# Altium PCB ControllerV3.0.PcbDoc (part 2 of 2)
Units mil, origin at the board's own origin, x right, y up, seen from the top; angles counter-clockwise.
Board outline 2047.87 x 1968.5 mil, 4 copper layers (Top, Gnd, Signal, Bottom), stack 64 mil thick; 96 components, 90 nets, 382 pads, 224 vias.
Unrouted connection lines stored in the file: 72.
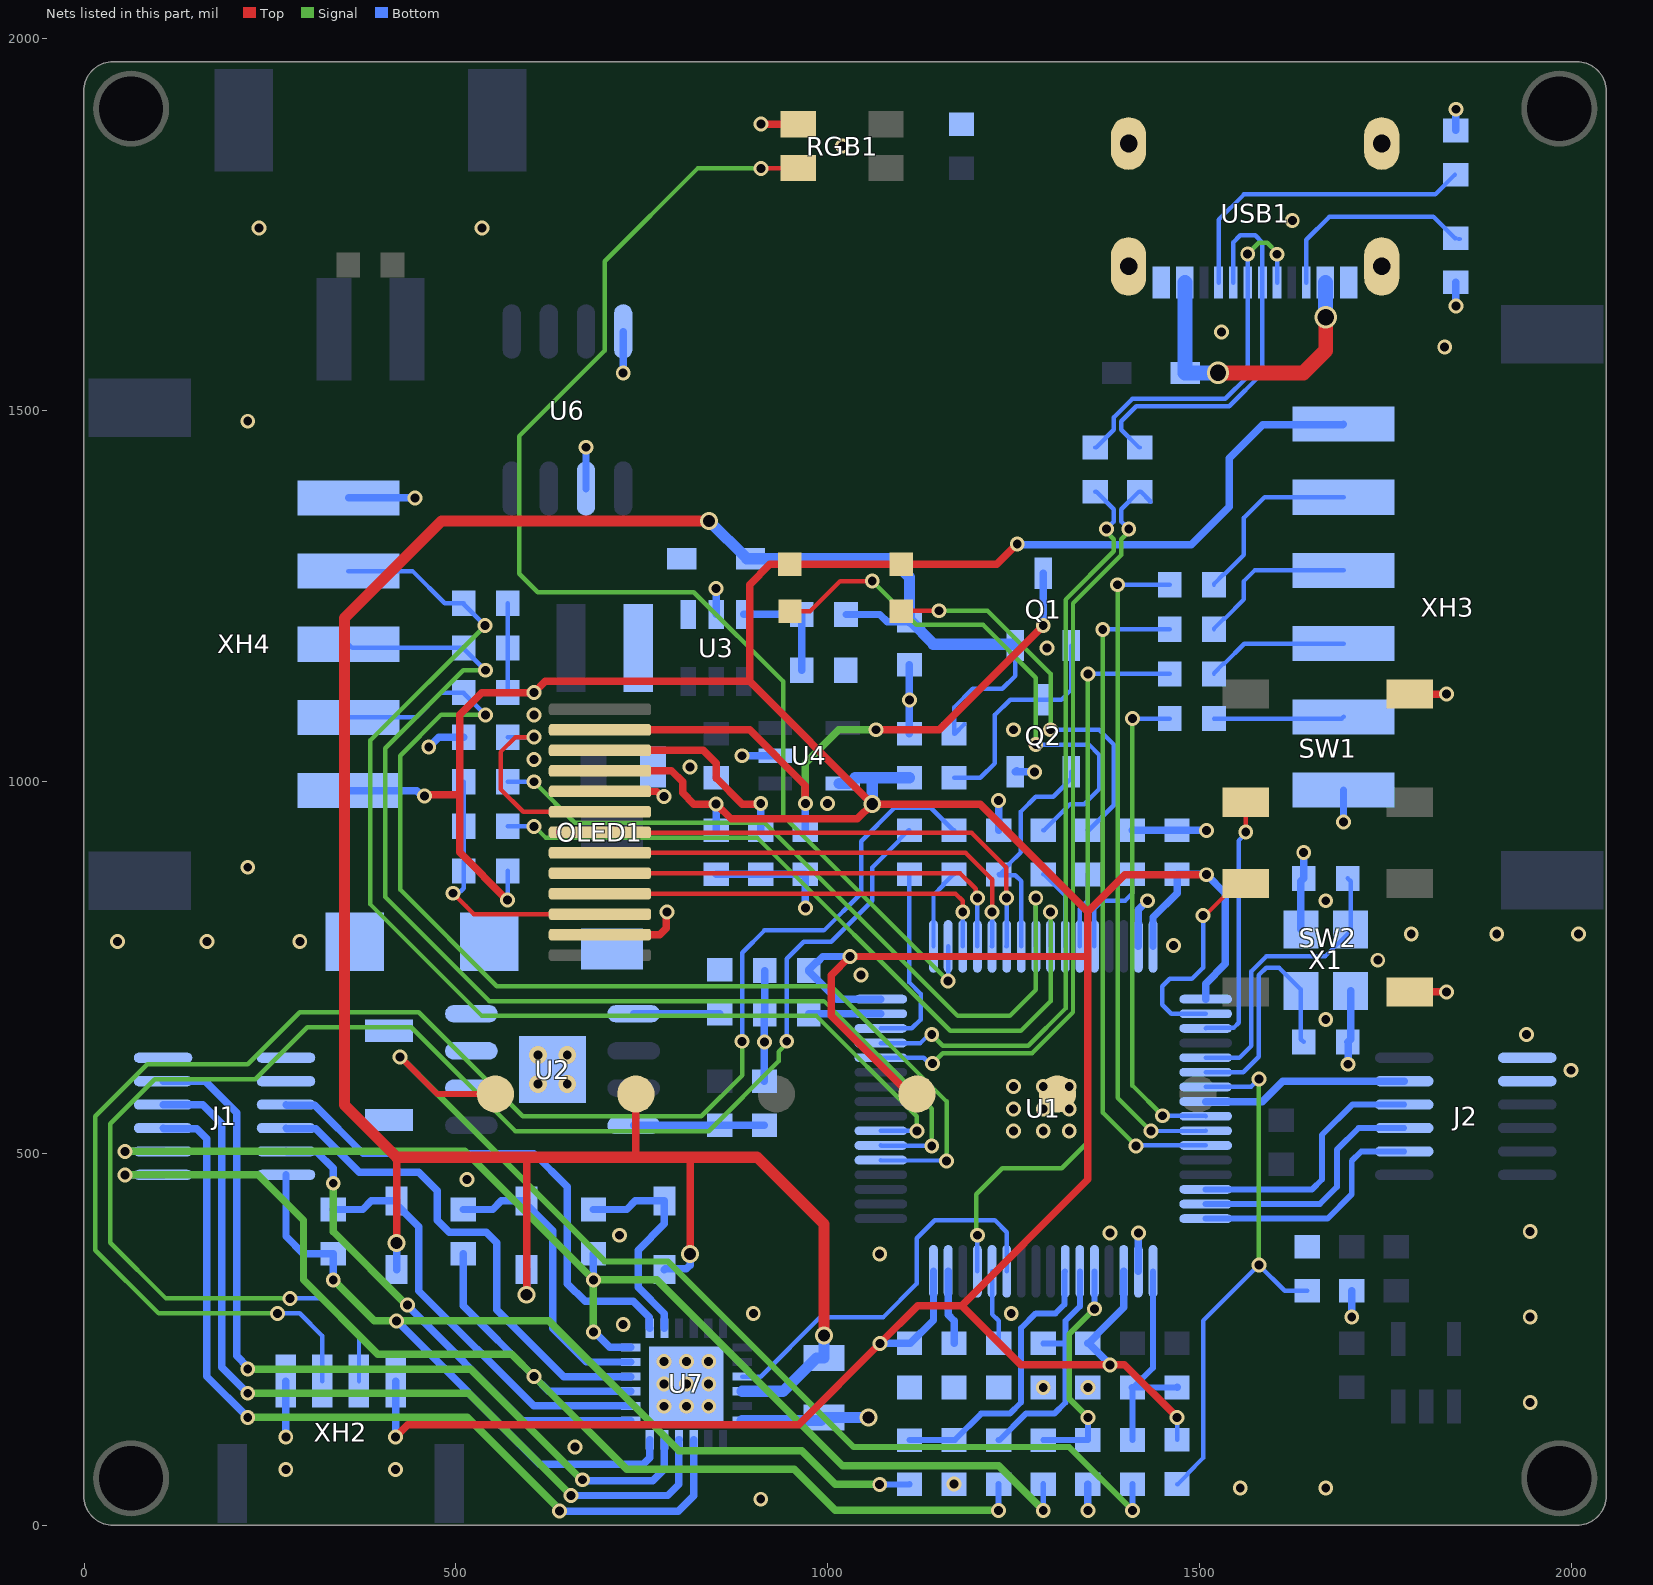
[diagram p4: the nets of this part, all layers, seen from the top]

## Via types
v1: diameter 20, hole 12, Top to Bottom, tented both sides, 201 vias
v2: diameter 24, hole 16, Top to Bottom, tented both sides, 10 vias
v3: diameter 30, hole 22, Top to Bottom, tented both sides, 5 vias
v4: diameter 27.56, hole 27.56, Top to Bottom, tented both sides, 4 vias
v5: diameter 24, hole 12, Top to Bottom, tented both sides, 4 vias

## Nets (pads, with @x,y where several pads share a name; then routed paths per layer and width w, separated by ;. In a path a pad name is that pad's centre, name@x,y a point inside that pad or via, vN(x,y) a via of type N, cw(c..) or ccw(c..) an arc to the next point about the centre after c; other vN are vias at no path point) (continued)
CL: U1.27 U7.3 | length 537.6
  Bottom w6: U7.3@885.1,199.84 909.84,199.84 990,280 1075,280 1120,325 1120,385.86 1144.14,410 1225,410 1240.79,394.21 U1.27@1240.79,341.5
DCBUS: C2.1 J1.6 J1.7 J1.8 pad.11@553,580 R19.2 U2.7 | length 1434
  Top w8: v1(425,630) 475,580 pad.11@561.51,580
  Signal w8: v1@422.3,632.7 v1(425,630) 700,355 785,355 1035,105 1325,105 v1(1410,20)
  Bottom w8: v1(1410,20) R19.2@1410,55.3
DN: R14.1 USB1.5 USB1.7 | length 539.8
  Bottom w6: R14.1@1420,1449.61 1418.87,1449.61 1395,1473.48 1395,1485 1415,1505 1540,1505 1584.85,1549.85 USB1.7@1584.85,1671.49 1584.85,1725.15 1575,1735 1555,1735 1545.48,1725.48 USB1.5@1545.48,1671.49
DP: R13.1 USB1.6 USB1.8 | length 511.6
  Signal w6: v1(1565,1710) 1580,1725 1591.49,1725 1604.53,1711.96 v1(1604.53,1709.52)
  Bottom w6: R13.1@1360,1449.61 1361.13,1449.61 1385,1473.48 1385,1490 1410,1515 1535,1515 1565,1545 1565,1671.34 USB1.6@1565.16,1671.49 1565.16,1709.85 v1(1565,1710) ; USB1.8@1604.53,1671.49 v1(1604.53,1709.52) v1@1605,1710
ENC_A: R32.1 U1.37 XH4.2 | length 1551.3
  Signal w6: v1(540,1090) 480,1090 425,1035 425,855 555,725 1005,725 1160,570 v1(1160,490)
  Bottom w6: XH4.2@355.47,1086.57 446.57,1086.57 480,1120 R32.1@510.39,1120 510.39,1118.87 539.26,1090 v1(540,1090) ; U1.37@1071.5,491.1 1072.05,490.55 1159.45,490.55 v1(1160,490)
ENC_B: R33.1 U1.38 XH4.3 | length 1549.9
  Signal w6: v1(540,1150) 510,1150 405,1045 405,845 545,705 995,705 1140,560 v1(1140,510.1)
  Bottom w6: XH4.3@355.47,1185 360.47,1180 R33.1@510.39,1180 510.39,1178.87 539.26,1150 v1(540,1150) ; U1.38@1071.5,510.79 1071.89,510.39 1139.71,510.39 v1(1140,510.1)
ENC_CS: R38.1 U1.9 | length 659.6
  Signal w6: v1(1410,1085) 1410,591.4 v1(1450.6,550.8)
  Bottom w6: v1(1410,1085) R38.1@1460.39,1085 ; v1(1450.6,550.8) 1450.92,550.48 1508.18,550.48 U1.9@1508.5,550.16
ENC_Z: R34.1 U1.39 XH4.4 | length 1574.8
  Signal w6: v1(539.26,1210) 385,1055.74 385,835 535,685 985,685 1120,550 v1(1120,530.47)
  Bottom w6: XH4.4@355.47,1283.43 441.57,1283.43 485,1240 R34.1@510.39,1240 510.39,1238.87 v1(539.26,1210) ; U1.39@1071.5,530.47 v1(1120,530.47)
GH_A: J1.9 U7.19 | length 698.3
  Bottom w10: J1.9@271.42,565.75 272.14,565.02 309.98,565.02 375,500 605,500 650,455 650,325 673.78,301.22 738.78,301.22 760.28,279.72 760.28,265.61 U7.19@760.79,265.1
GH_B: J1.10 U7.16 | length 678.2
  Bottom w10: J1.10@271.42,534.25 272.14,533.53 311.47,533.53 370,475 450,475 475,450 475,410 490.95,394.05 540.95,394.05 555,380 555,290 645.16,199.84 U7.16@734.9,199.84
GH_C: J1.11 U7.13 | length 663.8
  Signal w10: v1(335,460) 335,395 434,296 v1(435,296)
  Bottom w10: J1.11@271.42,502.76 272.14,502.03 312.97,502.03 335,480 v1(335,460) ; v1(435,296) 435,295 589.21,140.79 U7.13@734.9,140.79
GL_A: J1.5 U7.11 | length 1136.1
  Signal w10: v1(220,210) 520,210 668.84,61.16 v1(670.11,61.16)
  Bottom w10: J1.5@106.06,597.24 162.76,597.24 205,555 205,227.71 220,212.71 v1(220,210) ; v1(670.11,61.16) 671.27,60 765,60 780.47,75.47 U7.11@780.47,114.9
GL_B: J1.4 U7.10 | length 1169.7
  Signal w10: v1(220,177.5) 517.5,177.5 v1(655,40)
  Bottom w10: J1.4@106.06,565.75 159.25,565.75 185,540 185,212.5 v1(220,177.5) ; v1(655,40) 785,40 800,55 800,114.74 U7.10@800.16,114.9
GL_C: J1.3 U7.9 | length 1199.2
  Signal w10: v1(220,145) 515,145 639.4,20.6 v1(639.4,19.2)
  Bottom w10: J1.3@106.06,534.25 106.79,533.53 151.47,533.53 165,520 165,200 v1(220,145) ; v1(639.4,19.2) 639.6,19 799,19 819.84,39.84 U7.9@819.84,114.9
GND: C2.2 C3.1 C4.2 C5.2 C6.2 C7.2 C8.2 C11.2 C12.2 C13.2 C14.2 C16.1 C17.2 C18.2 C21.2 C23.1 C24.1 C25.1 C27.2 D1.2 J2.7 J2.8 OLED1.5 OLED1.12 pad.11@1309,580 Q2.2 R1.2 R4.1 R5.1 R7.2 R9.1 R16.1 R17.2 R20.1 R21.1 R29.1 R30.1 R31.1 RGB1.1 SW1.4 SW2.3 U1.18 U1.63 U2.6 U2.9 U3.2 U4.2 U6.2 U6.8 U7.6 U7.25 USB1.1 USB1.12 USB1.13 USB1.14 X1.2 X1.4 XH2.4 XH3.6 XH4.5 | length 2005.5
  Top w10: OLED1.12@693.74,794.25 774.25,794.25 783.09,803.09 783.09,824.09 v1(784,825) ; OLED1.5@693.74,987.17 694.02,986.89 770.41,986.89 777.29,980 v1(780,980) ; v1(910.47,1884.53) RGB1.1@960.41,1884.53 ; SW2.3@1782.89,717.36 v1(1832.36,717.36) ; SW1.4@1782.89,1117.99 v1(1832.36,1117.99)
  Bottom w10: v1(271.18,118.82) XH2.4@271.18,193.9 ; XH4.5@355.47,1381.85 v1(445,1381.85) ; v1(463.44,1046.57) 476.87,1060 R21.1@510.39,1060 ; U6.2@675,1394.39 v1(675,1450) ; v1(725,1550) U6.8@725,1605.61 ; C25.1@850,875.35 C23.1@910,875.35 C24.1@970,875.35 v1(970,830) ; C5.2@850,1005.34 C5.2@850.34,1005 ; U3.2@850,1225.08 v1(850,1260) ; v1(885,1035) U4.2@929.58,1035 ; R5.1@915,597.26 915,687.61 C7.2@915.34,687.95 C13.2@915.34,746.13 ; C21.2@990.79,140.79 C21.2@995,145 ; C6.2@1110,1064.66 v1(1110,1110) C3.1@1110,1157.35 ; R20.1@1230,934.61 v1(1230,975) ; Q2.2@1254.34,1015 Q2.2@1252.6,1013.26 v1(1278.26,1013.26) ; v1(1350,20) R29.1@1350,55.27 ; R7.2@1410,934.7 1469.96,934.7 C12.2@1470,934.66 v1(1509.66,934.66) ; U1.18@1417.95,341.5 v1(1417.95,392.95) ; U1.63@1417.95,778.5 1417.95,827.95 v1(1430,840) ; X1.4@1636.54,801.34 1636.54,866.2 C18.2@1640.34,870 v1(1640.34,904.66) ; v1(1693.9,946.1) XH3.6@1693.9,988.94 ; v1(1700,620) 1700,649.66 C17.2@1699.66,650 1703.46,653.8 X1.2@1703.46,718.66 ; v1(1705,280) R17.2@1705,315.3 ; v1(1845,1640) R9.1@1845,1671.68 ; R16.1@1845,1876.03 v1(1845,1904.61)
  Bottom w15: U7.6@885.1,140.79 C21.2@990.79,140.79 ; C21.2@995,145 v2(1055,145)
  other v1: 910,35 1555,50 1670,50 1170,55.27 271.18,75 418.82,75 660,105 780,160 810,160 840,160 1945,165 1290,185.27 1350,185.22 780,190 810,190 840,190 780,220 810,220 840,220 725,270 1945,280 900,285 1247,285 1070,365 720,390 1380,392.95 1945,395 515,465 1250,530 1290,530 1325,530 1250,560 1290,560 1325,560 1250,590 1290,590 1325,590 2000,612 915,650 1940,660 1670,680 1045,740 1740,760 1465,780 45,785 165,785 290,785 1785,795 1900,795 2010,795 1670,840 220,885 1000,971 815,1020 605,1030 1250,1070 605,1090 1295,1180 220,1485 1830,1585 1530,1605 235,1745 535,1745 1625,1755 1020,1855
  other v5: 610.32,593.26 649.69,593.26 610.32,632.63 649.69,632.63
IA: J2.2 U1.16 | length 330.8
  Bottom w8: U1.16@1508.5,412.36 1672.36,412.36 1705,445 1705,490 1717.76,502.76 J2.2@1775.55,502.76
IB: J2.3 U1.15 | length 338.7
  Bottom w8: U1.15@1508.5,432.05 1662.05,432.05 1685,455 1685,505 1714.25,534.25 J2.3@1775.55,534.25
IC: J2.4 U1.14 | length 349.4
  Bottom w8: U1.14@1508.5,451.73 1651.73,451.73 1665,465 1665,525 1705.75,565.75 J2.4@1775.55,565.75
KEY1: SW1.2 U1.3 | length 348
  Top w6: v1(1562.42,932.42) SW1.2@1562.42,972.33
  Bottom w6: U1.3@1508.5,668.27 1509.62,669.38 1546.49,669.38 1552.94,675.83 1552.94,920.91 1562.42,930.4 v1(1562.42,932.42)
KEY2: SW2.1 U1.2 | length 299.1
  Top w6: v1(1505,820) 1507.58,820 1550.61,863.03 SW2.1@1562.42,863.03
  Bottom w6: v1(1505,820) 1505,750 1490,735 1460,735 1450,725 1450,700 1462.05,687.95 U1.2@1508.5,687.95
LED_G: R6.2 U1.58 | length 109.7
  Bottom w6: R6.2@1290,875.3 1291.13,875.3 1319.53,846.9 U1.58@1319.53,778.5
LED_R: R8.2 U1.59 | length 101.3
  Bottom w6: U1.59@1339.21,778.5 1339.21,829.21 1350,840 R8.2@1350,875.3
NetC1_1: C1.1 U2.1 | length 115.9
  Bottom w10: U2.1@739.15,687.95 C1.1@855,687.95
NetC1_2: C1.2 D1.1 L1.1 U2.8
NetC7_1: C7.1 U1.47 | length 96.8
  Bottom w10: C7.1@974.65,687.95 U1.47@1071.5,687.95
NetC8_1: C8.1 U1.31 | length 100.3
  Bottom w10: U1.31@1162.05,341.5 1162.05,282.95 1170,275 C8.1@1170,244.53
NetD2_2: D2.2 L2.2 U3.1
NetLED1_1: LED1.1 R6.1 | length 726.3
  Top w6: LED1.1@949.39,1229.37 976.24,1229.37 1016.87,1270 v1(1060,1270)
  Signal w6: v1(1060,1270) 1119,1211 1209,1211 1280,1140 v1(1280,1050)
  Bottom w6: v1(1280,1050) 1351.49,1050 1365,1036.49 1365,990 1345,970 1326.52,970 1291.13,934.61 R6.1@1290,934.61
NetLED2_1: LED2.1 R8.1 | length 535.4
  Top w6: LED2.1@1098.93,1229.37 1099.55,1230 v1(1150,1230)
  Signal w6: v1(1150,1230) 1215,1230 1300,1145 v1(1300,1070)
  Bottom w6: v1(1300,1070) 1365,1070 1385,1050 1385,968.48 1351.13,934.61 R8.1@1350,934.61
NetOLED1_6: OLED1.6 R21.2 | length 284.9
  Top w6: v1(605,1060) 580,1060 560,1040 560,990 590.39,959.61 OLED1.6@693.74,959.61
  Bottom w6: R21.2@569.7,1060 v1(605,1060)
NetQ1_1: Q1.1 Q2.3 R18.1 | length 304.2
  Bottom w6: R18.1@1170,1005.39 1205.39,1005.39 1225,1025 1225,1090 1245.51,1110.51 Q2.3@1290,1110.51 1314.49,1110.51 1327.4,1123.41 Q1.1@1327.4,1183.26
NetR1_1: R1.1 U1.28 | length 100.7
  Bottom w6: U1.28@1221.1,341.5 1221.1,283.9 1230,275 R1.1@1230,244.49
NetR2_1: R2.1 R4.2 U3.3 | length 153.1
  Bottom w10: U3.3@887.4,1225.08 965.31,1225.08 R2.1@965.39,1225 965.39,1150.09 R4.2@965.3,1150
NetR3_1: R3.1 R5.2 U2.4 | length 175.8
  Bottom w10: U2.4@739.15,537.95 R3.1@855,537.95 R5.2@915,537.95
NetR7_1: R7.1 U1.60 | length 135.6
  Bottom w6: U1.60@1358.9,778.5 1358.9,828.9 1370,840 1400,840 1410,850 R7.1@1410,875.39
NetR9_2: R9.2 USB1.10 | length 284.5
  Bottom w6: USB1.10@1643.91,1671.49 1643.91,1728.9 1675,1760 1814.86,1760 1830.99,1743.87 1843.87,1730.99 R9.2@1845,1730.99 ; R9.2@1848.87,1730.09 R9.2@1850,1730.09
NetR12_2: R12.2 XH2.2 | length 2064.8
  Signal w6: v1(276.81,305) 110,305 35,380 35,540 95,600 230,600 300,670 440,670 580,530 840,530 934,624 934,636.82 v1@948.18,651
  Bottom w6: v1(276.81,305) 320,305 369.61,255.39 XH2.2@369.61,193.9 ; v1(945,651) 945,762.09 967.91,785 1005,785 1060,840 1060,884.7 1095.99,920.69 1095.99,921.83 1108.87,934.7 R12.2@1110,934.7
NetR15_2: R15.2 XH2.3 | length 2187
  Signal w6: v1(260,285) 100,285 15,370 15,550 85,620 220,620 290,690 450,690 590,550 830,550 885,605 885,650.82 v1(884.93,650.89)
  Bottom w6: v1(260,285) 290,285 320.39,254.61 XH2.3@320.39,193.9 ; v1(884.93,650.89) 885,650.95 885,770 915,800 995,800 1045,850 1045,920 1090,965 1138.57,965 1168.87,934.7 R15.2@1170,934.7
NetR16_2: R16.2 USB1.4 | length 427.6
  Bottom w6: USB1.4@1525.8,1671.49 1525.8,1755.8 1560,1790 1817.15,1790 R16.2@1843.87,1816.72
NetR35_2: R35.2 XH3.2 | length 252.7
  Bottom w6: R35.2@1519.7,1265 1519.7,1266.13 1532.58,1279.01 1533.71,1279.01 1560,1305.3 1560,1355 1587.64,1382.64 XH3.2@1693.9,1382.64
NetR36_2: R36.2 XH3.3 | length 222.1
  Bottom w6: R36.2@1519.7,1205 1519.7,1206.13 1532.58,1219.01 1533.71,1219.01 1560,1245.3 1560,1270 1574.21,1284.21 XH3.3@1693.9,1284.21
NetR37_2: R37.2 XH3.4 | length 191.8
  Bottom w6: R37.2@1519.7,1145 1519.7,1146.13 1532.58,1159.01 1533.71,1159.01 1560.49,1185.79 XH3.4@1693.9,1185.79
NetR38_2: R38.2 XH3.5 | length 175.2
  Bottom w6: R38.2@1519.7,1085 1691.54,1085 XH3.5@1693.9,1087.36
NRST: C16.2 R11.1 U1.7 | length 746
  Signal w6: v1(1580,350) v1(1580,600)
  Bottom w6: R11.1@1470,55.39 1471.14,55.39 1484.01,68.27 1484.01,69.4 1505,90.39 1505,275 v1(1580,350) 1614.66,315.34 C16.2@1645,315.34 ; U1.7@1508.5,589.53 1508.74,589.76 1569.49,589.76 1579.72,600 v1(1580,600)
OLED_BLK: Q2.1 R20.2 U1.55 | length 314.7
  Bottom w6: U1.55@1260.47,778.5 1260.47,866.39 1252.49,874.37 1230.93,874.37 R20.2@1230,875.3 1231.13,875.3 1244.01,888.17 1244.01,889.31 1260,905.3 1260,960 1280,980 1303.39,980 1327.4,1004.01 Q2.1@1327.4,1013.26
OLED_CS: OLED1.7 U1.54 | length 673.1
  Top w6: OLED1.7@693.74,932.05 694.59,931.2 1193.8,931.2 1240,885 1240,844.21 v1(1240.79,843.42)
  Bottom w6: U1.54@1240.39,778.9 U1.54@1240.79,778.5 v1(1240.79,843.42)
OLED_DC: OLED1.9 U1.52 | length 592.4
  Top w6: OLED1.9@693.74,876.93 1178.07,876.93 1199.06,855.94 1199.06,845.78 v1(1201.42,843.42)
  Bottom w6: U1.52@1201.42,778.5 v1(1201.42,843.42)
OLED_RES: OLED1.8 U1.53 | length 633.3
  Top w6: OLED1.8@693.74,904.49 1185.51,904.49 1221.1,868.9 v1(1221.1,825)
  Bottom w6: U1.53@1220.55,779.06 U1.53@1221.1,778.5 v1(1221.1,825)
OSC_IN: C18.1 U1.5 X1.1 | length 396.4
  Bottom w6: U1.5@1508.5,628.9 1553.9,628.9 1570,645 1570,745 1590,765 1669.09,765 1703.46,799.37 X1.1@1703.46,801.34 1703.46,866.19 C18.1@1699.65,870
OSC_OUT: C17.1 U1.6 X1.3 | length 335.2
  Bottom w6: U1.6@1508.5,609.21 1559.21,609.21 1580,630 1580,740 1590,750 1607.17,750 1636.54,720.63 X1.3@1636.54,718.66 1636.54,653.81 C17.1@1640.35,650
RGB_TIM: RGB1.2 U1.50 | length 1736.5
  Top w6: v1(910.47,1825) 959.94,1825 RGB1.2@960.41,1825.47
  Signal w6: v1(910.47,1825) 825,1825 700,1700 700,1580 585,1465 585,1280 610,1255 820,1255 940,1135 940,954.09 v1(1162.05,732.05)
  Bottom w6: v1(1162.05,732.05) U1.50@1162.05,778.5
SDA: OLED1.11 R23.2 R24.2 R25.2 | length 369.9
  Top w6: v1(496,850) 513.64,832.36 524.19,821.81 OLED1.11@693.74,821.81
  Bottom w6: v1(496,850) 498.68,852.68 506.35,852.68 510.41,856.74 510.41,879.89 R24.2@510.3,880 R25.2@510.3,940 R23.2@510.3,1000
SH_A: C19.1 J1.2 R26.2 U7.18 | length 1685.1
  Signal w10: v1(55,502.76) 512.24,502.76 v1(685,330) ; v1(685,260) v1(685,330) ; v1(1290,20) 1230,80 1020,80 770,330 v1(685,330)
  Bottom w8: v1(1290,20) R26.2@1290,55.18
  Bottom w10: v1(55,502.76) J1.2@106.06,502.76 ; v1(685,260) 685.85,260 706.64,239.21 U7.18@734.9,239.21 ; v1(685,330) C19.1@685,365.35
SH_B: C20.1 J1.1 R27.2 U7.15 | length 1837.9
  Signal w10: v1(55,471.26) 233.74,471.26 295,410 295,330 395,230 575,230 v1(605,200) 730,75 955,75 1010,20 v1(1230,20)
  Bottom w8: v1(1230,20) R27.2@1230,55.18
  Bottom w10: v1(55,471.26) J1.1@106.06,471.26 ; C20.1@510,365.35 510,330 510,295 v1(605,200) 624.92,180.08 734.82,180.08 U7.15@734.9,180.16
SH_C: C22.1 J1.12 R28.2 U7.12 | length 1528.6
  Signal w10: v1(335,330) 390,275 419.73,275 v1(419.89,274.84) ; v1@420,275 625,275 800,100 965,100 1010,55 v1(1070,55)
  Bottom w8: v1(1070,55) 1109.82,55 R28.2@1110,55.18
  Bottom w10: J1.12@271.42,471.26 271.42,388.58 294.65,365.35 C22.1@335,365.35 v1(335,330) ; v1(419.89,274.84) 420.16,274.84 612.84,82.16 752.16,82.16 760.79,90.79 U7.12@760.79,114.9
SPI2_MISO: R35.1 U1.10 | length 897.7
  Signal w6: v1(1390,1265) 1390,575 v1(1435,530)
  Bottom w6: v1(1390,1265) R35.1@1460.39,1265 ; v1(1435,530) 1435.24,530.24 1508.27,530.24 U1.10@1508.5,530.47
SPI2_MOSI: R36.1 U1.11 | length 897.9
  Signal w6: v1(1370,1205) 1370,555 v1(1415,510)
  Bottom w6: v1(1370,1205) R36.1@1460.39,1205 ; v1(1415,510) 1415.79,510.79 U1.11@1508.5,510.79
SPI2_SCK: R37.1 U1.29 | length 1023.5
  Signal w6: v1(1201.42,390) 1200,391.42 1200,445 1235,480 1315,480 1350,515 v1(1350,1145)
  Bottom w6: U1.29@1201.42,341.5 v1(1201.42,390) ; v1(1350,1145) R37.1@1460.39,1145
SPI3_MISO: R23.1 U1.56 | length 1043.8
  Signal w6: v1(605,1000) 660,945 915,945 1175,685 1245,685 1280,720 v1(1280,843.42)
  Bottom w6: R23.1@569.61,1000 v1(605,1000) ; v1(1280,843.42) 1280.08,843.34 1280.08,778.58 U1.56@1280.16,778.5
SPI3_MOSI: R25.1 U1.57 | length 1027.4
  Signal w6: v1(605,940) 605.51,940 620.51,925 905,925 1165,665 1260,665 1300,705 v1(1300,825)
  Bottom w6: R25.1@569.61,940 v1(605,940) ; U1.57@1299.84,778.5 1299.84,824.84 v1(1300,825)
SPI3_SCK: OLED1.10 U1.51 | length 553.2
  Top w6: OLED1.10@693.74,849.37 1172,849.37 1181.61,839.75 1181.61,825.12 v1(1181.73,825)
  Bottom w6: U1.51@1181.73,778.5 v1(1181.73,825)
SWC: R15.1 U1.49 | length 109
  Bottom w6: U1.49@1142.36,778.5 1142.36,847.75 1155.99,861.38 1155.99,862.52 1168.87,875.39 R15.1@1170,875.39
SWD: R12.1 U1.46 | length 260
  Bottom w6: U1.46@1071.5,668.27 1113.27,668.27 1125,680 1125,715 1110,730 R12.1@1110,875.39
TEMP_S: J2.5 U1.8 | length 278.4
  Bottom w10: U1.8@1508.5,569.84 1584.84,569.84 1612.24,597.24 J2.5@1775.55,597.24
UA: R26.1 R29.2 U1.21 | length 311.4
  Signal w8: v1(1350,145) 1325,170 1325,257.12 v1(1358.97,291.09)
  Bottom w8: R26.1@1290,114.49 1349.91,114.49 R29.2@1350,114.58 v1(1350,145) ; v1(1358.97,291.09) U1.21@1358.9,341.5
UB: R27.1 R30.2 U1.22 | length 325.5
  Bottom w8: R27.1@1230,114.49 1231.13,114.49 1266.64,150 1305,150 1320,165 1320,245 ; R30.2@1290,244.58 1319.58,244.58 1320,245 ; U1.22@1339.21,341.5 1339.21,294.21 1320,275 1320,245
UC: R28.1 R31.2 U1.23 | length 387.6
  Bottom w8: R28.1@1110,114.49 1169.91,114.49 R31.2@1170,114.58 1171.13,114.58 1206.55,150 1245,150 1260,165 1260,265 1280,285 1306.49,285 1318.55,297.06 1318.55,340.52 U1.23@1319.53,341.5
USB_FS_DM: R14.2 U1.44 | length 1057.4
  Signal w6: v1(1140.94,620.93) 1155,635 1275,635 1330,690 1330,1240 1395,1305 1395,1326.21 1405,1336.21 v1(1405,1340)
  Bottom w6: U1.44@1071.5,628.9 1129.18,628.9 1137.15,620.93 v1(1140.94,620.93) ; v1(1405,1340) 1395,1350 1395,1366.43 1418.87,1390.3 R14.2@1420,1390.3 1421.13,1390.3 1434.01,1377.42 R14.2@1434.01,1376.29
USB_FS_DP: R13.2 U1.45 | length 1021.7
  Signal w6: v1(1140,660) 1155,645 1270,645 1320,695 1320,1245 1385,1310 1385,1326.21 1375,1336.21 v1(1375,1340)
  Bottom w6: U1.45@1071.5,648.58 1124.79,648.58 1136.21,660 v1(1140,660) ; R13.2@1360,1390.3 1361.13,1390.3 1385,1366.43 1385,1350 v1(1375,1340)
VB_A: C19.2 D4.1 U7.20 | length 300.7
  Bottom w10: C19.2@685,424.66 729.66,424.66 741.16,436.16 D4.1@780.47,436.16 780.47,405.47 745,370 745,320 780.28,284.72 780.28,265.29 U7.20@780.47,265.1
VB_B: C20.2 D5.1 U7.17 | length 399.2
  Bottom w10: C20.2@510,424.66 549.66,424.66 561.16,436.16 D5.1@595,436.16 595,431.24 630,396.24 630,265 675.47,219.53 U7.17@734.9,219.53
VB_C: C22.2 D6.1 U7.14 | length 572.4
  Bottom w10: C22.2@335,424.66 374.66,424.66 386.16,436.16 D6.1@420.26,436.16 420.26,431.24 450,401.5 450,315 604.53,160.47 U7.14@734.9,160.47
VBUS_S: C26.1 R19.1 R22.2 U1.17 | length 297.9
  Bottom w8: R19.1@1410,114.61 C26.1@1410.01,185.23 ; C26.1@1410.01,185.23 C26.1@1411.14,185.23 ; U1.17@1437.64,341.5 1437.64,211.73 C26.1@1411.14,185.23 ; R22.2@1469.93,185.23 C26.1@1411.14,185.23
  Bottom w10: R22.2@1469.93,185.23 R22.2@1470,185.3
VCC_3.3: C6.1 C11.1 C12.1 C13.1 C14.1 C25.2 LED1.2 LED2.2 OLED1.4 pad.11@1120,580 R11.2 R24.1 R32.2 R33.2 R34.2 U1.1 U1.19 U1.32 U1.48 U1.64 U4.5 XH2.1 XH3.1 XH4.1 | length 6701.9
  Top w10: v1(418.82,118.82) 435,135 960.93,135 v1(1070.47,244.53) 1121.27,295.33 1180.33,295.33 ; v1(457.51,980.64) 459.42,982.55 505,982.55 ; v1(569.61,840.81) 569.19,840.81 505,905 505,982.55 ; OLED1.4@693.74,1014.72 694.02,1015 790,1015 805,1000 805,985 820,970 v1(850,970) 870,950 1040,950 v2(1060,970) ; pad.11@1105,585 1005,685 1005,740 v1(1030,765) 1350,765 ; v1(1255,1320) 1227.37,1292.37 LED2.2@1098.73,1292.37 LED1.2@949.19,1292.37 922.37,1292.37 895,1265 895,1135 ; v1(1470,145) 1399.33,215.67 v1(1380,215.67) 1260,215.67 1180.33,295.33 ; v1(1509.66,875) 1399.7,875 1350,825.3 ; 505,982.55 505,1090 535,1120 v1(605,1120) 620,1135 895,1135 ; 895,1135 v2(1060,970) ; v2(1060,970) 1205.3,970 1350,825.3 ; 1180.33,295.33 1350,465 1350,765 ; 1350,765 1350,825.3
  Bottom w6: v1(569.61,840.81) R24.1@569.61,880 ; R34.2@569.7,1240 R33.2@569.7,1180 R32.2@569.7,1120 v1(605,1120) ; R11.2@1470,114.7 v1(1470,145)
  Bottom w10: XH4.1@355.47,988.15 447.29,988.15 454.8,980.64 v1(457.51,980.64) ; v1(418.82,118.82) XH2.1@418.82,193.9 ; C25.2@850,934.66 v1(850,970) ; v1(1030,765) 993.52,765 986.66,758.14 985.53,758.14 974.65,747.26 C13.1@974.65,746.13 974.65,745 1012.01,707.64 U1.48@1071.5,707.64 ; v1(1070.47,244.53) C11.1@1110,244.53 1111.13,244.53 1142.36,275.76 U1.32@1142.36,341.5 ; v1(1255,1320) 1256,1319 1489,1319 1540,1370 1540,1435 1585,1480 1692.83,1480 XH3.1@1693.9,1481.06 ; C14.1@1350,244.53 C14.1@1351.13,244.53 ; v1(1380,215.67) C14.1@1351.13,244.53 ; U1.19@1398.27,341.5 1398.27,292.8 1362.01,256.54 1362.01,255.41 C14.1@1351.13,244.53 ; U1.64@1437.64,778.5 1437.64,817.64 1470,850 C12.1@1470,875.35 1509.65,875.35 v1@1510,875 ; U1.1@1508.5,707.64 1508.5,728.5 1535,755 1535,849.66 v1(1509.66,875)
  Bottom w15: U4.5@1015.42,997.6 1028.9,997.6 1036.65,1005.35 1060,1005.35 ; v2(1060,970) 1060,1005.35 ; C6.1@1110,1005.35 1060,1005.35
VCC_10V: C3.2 C21.1 D2.1 D4.2 D5.2 D6.2 pad.11@742,580 Q1.2 R2.2 R18.2 U7.4 | length 3658.2
  Top w10: v2(420.26,379.74) 420.26,495 ; v2(595,310) 595,495 ; 742,495 pad.11@742,580 ; v2(815,365) 815,495
  Top w15: v2(840.62,1350.62) 480.62,1350.62 350,1220 350,565.26 420.26,495 595,495 742,495 815,495 905,495 995,405 v2(995,255)
  Bottom w6: R18.2@1184.01,1077.58 1171.13,1064.7 R18.2@1170,1064.7 1170,1100 1195,1125 1235,1125 1252.6,1142.6 Q1.2@1252.6,1183.26 Q1.2@1250.86,1185
  Bottom w10: D6.2@420.26,343.84 v2(420.26,379.74) ; v2(595,310) D5.2@595,343.84 ; D4.2@780.47,343.84 781.64,345 809.99,345 814.95,349.96 814.95,364.95 v2(815,365) ; R2.2@1024.7,1225 1070,1225 1080,1215 1108.34,1215 C3.2@1110,1216.66
  Bottom w15: v2(840.62,1350.62) 891.24,1300 D2.1@896.16,1300 1085,1300 1110,1275 C3.2@1110,1216.66 1111.14,1216.66 1141.66,1186.13 1141.66,1185 Q1.2@1250.86,1185 ; U7.4@885.1,180.16 940.11,180.16 984.95,225 C21.1@995,225 v2(995,255)
VCOMH: C23.2 OLED1.3 | length 294.7
  Top w10: OLED1.3@693.74,1042.28 832.72,1042.28 850,1025 850,1005 885,970 909,970 v1(910,971)
  Bottom w10: C23.2@910,934.66 v1(910,971)
VPP: C24.2 OLED1.2 Q1.3 | length 888.7
  Top w10: OLED1.2@693.74,1069.84 895.16,1069.84 970,995 v1(970,971) ; v1(1065,1070) 1150,1070 v1(1290,1210)
  Signal w10: v1(970,971) 970,1025 1015,1070 v1(1065,1070)
  Bottom w10: C24.2@970,934.66 v1(970,971) ; v1(1290,1210) Q1.3@1290,1280.51
VUSB: D3.2 USB1.2 USB1.11 | length 414.5
  Top w20: v3(1525,1550) 1640,1550 1670,1580 v3(1670,1625)
  Bottom w20: D3.2@1480.52,1550 USB1.2@1480.52,1671.49 ; D3.2@1481.16,1550 1485.52,1550 1511.16,1550 v3(1525,1550) ; USB1.11@1669.5,1671.49 1669.75,1671.24 1669.75,1625.25 v3(1670,1625)
pads on no net: OLED1.1 OLED1.13 RGB1.4 SW1.1 SW1.3 SW2.2 SW2.4 U1.4 U1.20 U1.24 U1.25 U1.30 U1.33 U1.35 U1.36 U1.40 U2.2 U2.3 U2.5 U3.6 U4.4 U5.4 U6.5 U7.5 U7.7 U7.8 U7.21 USB1.3 USB1.9 XH1.0 XH2.5 XH2.6 XH3.0 XH4.0
copper on no net:
  other v4: 139.53,435.83 1809.02,435.83 139.53,664.17 1809.02,664.17

## Polygon pours and split planes (outlines as drawn)
GND on Bottom "GND_L04_P018" (solid, remove dead copper, pour order 18): 0,0 2050,0 2050,1970 0,1970
DCBUS on Bottom "DCBUS_L04_P000" (solid, remove dead copper, pour order 0): 45,655 55,665 345,665 365,685 375,695 445,695 480,660 560,660 570,650 570,625 560,615 350,615 325,590 315,580 235,580 225,590 205,610 55,610 45,620
GND on Bottom "GND_L04_P002" (solid, remove dead copper, pour order 2): 380,510 370,520 370,595 380,605 565,605 580,620 580,650 590,660 670,660 680,650 680,570 670,560 465,560 455,550 455,520 445,510
AGND on Bottom "AGND_L04_P014" (solid, remove dead copper, pour order 14): 1885,565 1885,470 1900,455 2010,455 2025,470 2025,565 2010,580 1900,580
5V on Bottom "5V_L04_P010" (solid, remove dead copper, pour order 10): 755,907.04 665,907.04 665,1075 640,1100 630,1110 630,1240 675,1240 675,1120 690,1105 830,1105 835,1110 835,1155 845,1165 890,1165 900,1155 900,1110 870,1080 870,1050 860,1040 840,1040 810,1070 725,1070 715,1060 715,980 725,970 745,970 755,960
NetC1_2 on Bottom "NETC1_2_L04_P001" (solid, remove dead copper, pour order 1): 485,670 465,690 465,805 485,825 590,825 612.56,802.44 862.56,802.44 875,790 875,735 860,720 700,720 685,705 685,685 670,670
GND on Bottom "Bottom-GND" (solid, remove dead copper, pour order 13): 866.88,986.88 875,995 875,1020 865,1030 835,1030 810,1055 745,1055 735,1045 735,995 743.12,986.88
NetD2_2 on Bottom "NETD2_2_L04_P011" (solid, remove dead copper, pour order 11): 725,1120 770,1120 770,1190 780,1200 820,1200 830,1210 830,1315 820,1325 735,1325 725,1315
GND on Top "GND_L01_P016" (solid, remove dead copper, pour order 16): 0,1970 0,0 2050,0 2050,1970
AGND on Top "AGND_L01_P015" (solid, remove dead copper, pour order 15): 1390,0 2050,0 2050,580 1545,580 1390,425
GND on Gnd "GND_L02_P017" (solid, remove dead copper, pour order 17): 0,1970 0,0 2050,0 2050,1970

## Other copper
Bottom:
  pour cut-out: 675,1240 725,1240 725,1120 675,1120
  pour cut-out: 626.67,906.44 793.47,906.44 793.47,803.34 626.67,803.34
  pour cut-out: 1610,830 1610,690 1730,690 1730,830

## Silkscreen, mask and mechanical layers (free items; w line width, h text height)
Top Overlay:
  drawing of 20 lines, arcs and shapes, not listed
  text "CL" at 269.75,1905.87 h45
  text "CH" at 448.46,1905.87 h45
  text "CAN RES" at 301.45,1770.54 h45
  text "CAN" at 312.07,1580.89 h80
  text "USB" at 1503.81,1580.96 h80
  text "3V3" at 1939.41,1462.11 h60
  text "MI" at 1978.26,1364.79 h60
  text "G" at 18,1362.65 h60
  text "MO" at 1950.12,1266.03 h60
  text "Z" at 18,1264.52 h60
  text "SCK" at 1919.32,1167.26 h60
  text "B" at 18,1166.39 h60
  text "A" at 18,1068.27 h60
  text "CS" at 1961.27,1068.5 h60
  text "G" at 1994.68,969.73 h60
  text "3V3" at 18,969.2 h60
  text "ABZ" at 37.15,860 h80
  text "SPI" at 1900.91,855.96 h80
  text "0.78 OLED 128*80" at 1010.67,720.72 h60
  text "VBUS" at 495.13,500.61 h45
  text "10" at 722.2,500.61 h45
  text "5" at 921.31,500.61 h45
  text "3.3" at 1093.65,500.61 h45
  text "G" at 1295.54,500.61 h45
  text "A3.3" at 1456.38,500.61 h45
  text "BLAZER FOC" at 599.59,291.98 h150
  text "SWD" at 264.56,164.4 h80
  text "Control" at 586.08,152.17 h100
  text "|V3.0|" at 1068.57,151.98 h100
  text "G" at 166.54,30.54 h45
  text "SWC" at 228.98,30.54 h45
  text "SWD" at 354.86,30.54 h45
  text "3V3" at 475.83,30.79 h45
Bottom Overlay:
  text "JLCJLCJLCJLC" at 1830.6,1407.27 h50 r270
  text "-8MHz-" at 1608.5,855.44 h45 r90
  text "STM32F405" at 1089.4,296.48 h45
Mechanical 1:
  circle w10: c1023.62,1543.31 r208.66
  lines w10: 0,39.37 ccw(c39.37,39.37) 39.37,0 2007.87,0 ccw(c2007.87,39.37) 2047.24,39.37 2047.24,1929.13 ccw(c2007.87,1929.13) 2007.87,1968.5 39.37,1968.5 ccw(c39.37,1929.13) 0,1929.13 0,39.37